# Allegro board BeagleBone_Green_Wireless_V1.0.brd (continued)
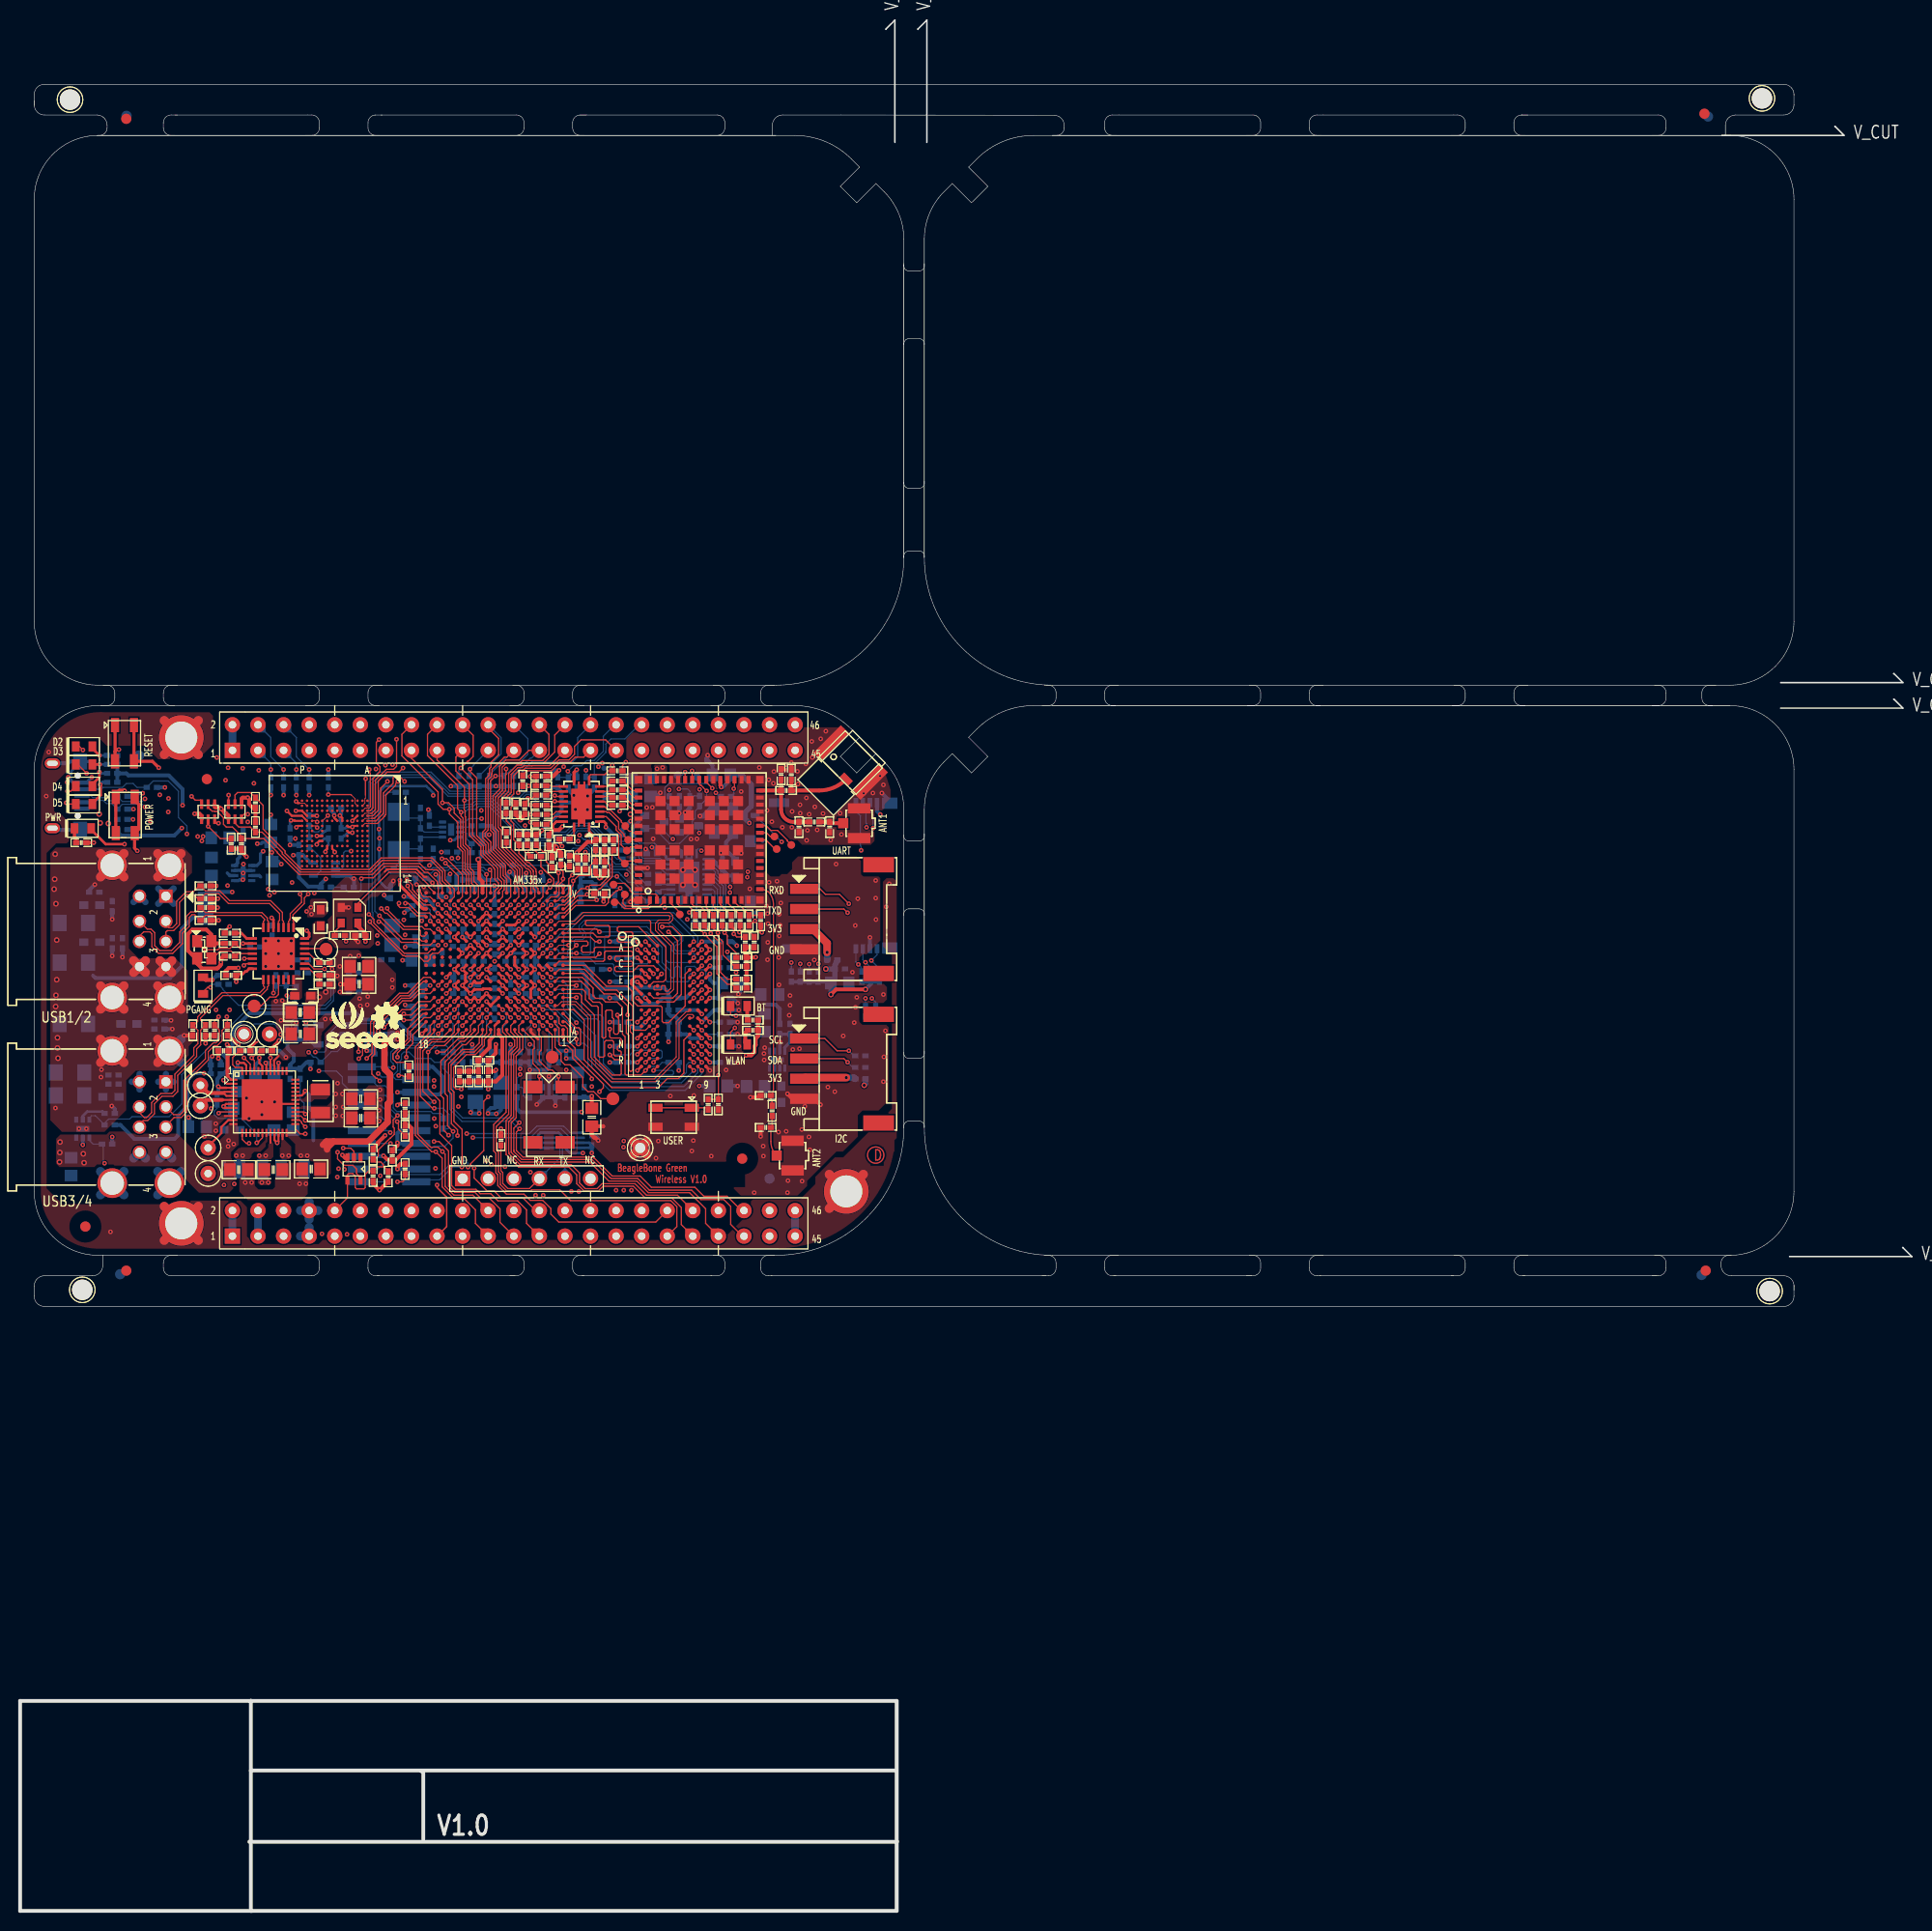
[diagram p0: board, top side]
## Nets (continued)
CAP_VDD_SRAM_MPU: C90.1 U5.D11(CAP_VDD_SRAM_MPU)
CLKOUT2: P2.18(EMU3) P9.41(21) R19.2 R20.1 U22.20(B1)
CLKOUT_SRC: R19.1 U5.D14(EVENT_INTR1/TCLKIN/CLKOUT2/TIME)
DDR_A0: U5.F3(DDR_A0) U12.N3(A0)
DDR_A1: U5.H1(DDR_A1) U12.P7(A1)
DDR_A2: U5.E4(DDR_A2) U12.P3(A2)
DDR_A3: U5.C3(DDR_A3) U12.N2(A3)
DDR_A4: U5.C2(DDR_A4) U12.P8(A4)
DDR_A5: U5.B1(DDR_A5) U12.P2(A5)
DDR_A6: U5.D5(DDR_A6) U12.R8(A6)
DDR_A7: U5.E2(DDR_A7) U12.R2(A7)
DDR_A8: U5.D4(DDR_A8) U12.T8(A8)
DDR_A9: U5.C1(DDR_A9) U12.R3(A9)
DDR_A10: U5.F4(DDR_A10) U12.L7(A10)
DDR_A11: U5.F2(DDR_A11) U12.R7(A11)
DDR_A12: U5.E3(DDR_A12) U12.N7(A12)
DDR_A13: U5.H3(DDR_A13) U12.T3(A13)
DDR_A14: U5.H4(DDR_A14) U12.T7(A14)
DDR_A15: U5.D3(DDR_A15) U12.M7(A15)
DDR_BA0: U5.C4(DDR_BA0) U12.M2(BA0)
DDR_BA1: U5.E1(DDR_BA1) U12.N8(BA1)
DDR_BA2: U5.B3(DDR_BA2) U12.M3(BA2)
DDR_CASN: U5.F1(DDR_CASN) U12.K3(CASN)
DDR_CKE: R96.2 U5.G3(DDR_CKE) U12.K9(CKE)
DDR_CLK: U5.D2(DDR_CK) U12.J7(CK)
DDR_CLKN: U5.D1(DDR_NCK) U12.K7(CKN)
DDR_CSN: U5.H2(DDR_CSN0) U12.L2(CSN)
DDR_D0: U5.M3(DDR_D0) U12.E3(DQ0)
DDR_D1: U5.M4(DDR_D1) U12.F7(DQ1)
DDR_D2: U5.N1(DDR_D2) U12.F2(DQ2)
DDR_D3: U5.N2(DDR_D3) U12.F8(DQ3)
DDR_D4: U5.N3(DDR_D4) U12.H3(DQ4)
DDR_D5: U5.N4(DDR_D5) U12.H8(DQ5)
DDR_D6: U5.P3(DDR_D6) U12.G2(DQ6)
DDR_D7: U5.P4(DDR_D7) U12.H7(DQ7)
DDR_D8: U5.J1(DDR_D8) U12.D7(DQ8)
DDR_D9: U5.K1(DDR_D9) U12.C3(DQ9)
DDR_D10: U5.K2(DDR_D10) U12.C8(DQ10)
DDR_D11: U5.K3(DDR_D11) U12.C2(DQ11)
DDR_D12: U5.K4(DDR_D12) U12.A7(DQ12)
DDR_D13: U5.L3(DDR_D13) U12.A2(DQ13)
DDR_D14: U5.L4(DDR_D14) U12.B8(DQ14)
DDR_D15: U5.M1(DDR_D15) U12.A3(DQ15)
DDR_DQM0: U5.M2(DDR_DQM0) U12.E7(LDM)
DDR_DQM1: U5.J2(DDR_DQM1) U12.D3(UDM)
DDR_DQS0: U5.P1(DDR_DQS0) U12.F3(LDQS)
DDR_DQS1: U5.L1(DDR_DQS1) U12.C7(UDQS)
DDR_DQSN0: U5.P2(DDR_DQSN0) U12.G3(LDQSN)
DDR_DQSN1: U5.L2(DDR_DQSN1) U12.B7(UDQSN)
DDR_ODT: U5.G1(DDR_ODT) U12.K1(ODT)
DDR_RASN: U5.G4(DDR_RASN) U12.J3(RASN)
DDR_RESETN: R97.2 U5.G2(DDR_RESETN) U12.T2(RESET#)
DDR_VREF: C28.1 C123.1 C124.1 R98.2 R100.1 U5.J4(VREFSSTL) U12.H1(VREF_DQ) U12.M8(VREF_CA)
DDR_VTP: R22.2 U5.J3(DDR_VTP)
DDR_WEN: U5.B2(DDR_WEN) U12.L3(WEN)
EHRPWM1A: P9.14(32) U5.U14(GPMC_A2/GMII2_TXD3/RGMII2_TD3/M)
EHRPWM1B: P9.16(33) U5.T14(GPMC_A3/GMII2_TXD2/RGMII2_TD2/M)
EHRPWM2A: P8.19(10) U5.U10(GPMC_AD8/LCD_DATA23/MMC1_DAT0/M)
EHRPWM2B: P8.13(7) U5.T10(GPMC_AD9/LCD_DATA22/MMC1_DAT1/M)
EMMC_RSTN: R111.2 R162.2 U13.K5(R\S\T\)
EMMC_VCCI: C125.1 U13.C2(VCCI)
ENZ_KALDO_1P8V: R54.2 U5.B4(ENZ_KALDO_1P8V)
GPIO0_7: P9.42(46) R50.1 R51.1
GPIO0_7SRC: R50.2 U5.C18(ECAP0_IN_PWM0_OUT/UART3_TXD/SPI)
GPIO0_26: P8.14(32) R187.2 R189.1 U5.T11(GPMC_AD10/LCD_DATA21/MMC1_DAT2/)
GPIO0_27: P8.17(9) U5.U12(GPMC_AD11/LCD_DATA20/MMC1_DAT3/) U22.18(B2)
GPIO1_12: P8.12(31) R206.1 U5.T12(GPMC_AD12/LCD_DATA19/MMC1_DAT4/)
GPIO1_13: P8.11(6) R205.1 U5.R12(GPMC_AD13/LCD_DATA18/MMC1_DAT5/)
GPIO1_14: P8.16(33) R204.1 U5.V13(GPMC_AD14/LCD_DATA17/MMC1_DAT6/)
GPIO1_15: P8.15(8) R203.1 U5.U13(GPMC_AD15/LCD_DATA16/MMC1_DAT7/)
GPIO1_16: P9.15(8) R160.2
GPIO1_17: P9.23(12) U5.V14(GPMC_A1/GMII2_RXDV/RGMII2_RCTL/)
GPIO1_28: P9.12(31) R188.2 R190.1 U5.U18(GPMC_BE1N/GMII2_COL/GPMC_CSN6/M)
GPIO1_29: P8.26(38) R198.1 U5.V6(GPMC_CSN0/GPIO1_29)
GPIO2_0: R161.2 R208.1
GPIO2_1: P8.18(34) R207.1 U5.V12(GPMC_CLK/LCD_MEM_CLK/GPMC_WAIT1)
GPIO3_18: R51.2 U5.B12(MCASP0_ACLKR/EQEP0A_IN/MCASP0_A)
GPIO3_19: P9.27(14) U5.C13(MCASP0_FSR/EQEP0B_IN/MCASP0_AXR)
GPIO3_20: R20.2 U5.D13(MCASP0_AXR1/EQEP0_INDEX//MCASP1)
GPIO3_21: P9.25(13) R167.2 U5.A14(MCASP0_AHCLKX/EQEP0_STROBE/MCAS)
HDMI_INT: R169.1 R170.1 U5.U16(GPMC_A9/GMII2_RXD2/RGMII2_RD2/M)
HDMICLK_DISN: U5.V17(GPMC_A11/GMII2_RXD0/RGMII2_RD0/) Y4.1(OE)
HUB_AVDD: C181.1 C182.1 C185.1 C186.2 C187.1 C188.1 L15.2 R219.1 R220.1 R225.2 U23.5(AVDD#5) U23.9(AVDD#9) U23.14(AVDD#14) U23.28(V33)
HUB_DM1: D11.1 J8.A2(DM_T) U23.3(DM1)
HUB_DM2: D14.2 J8.B2(DM_B) U23.6(DM2)
HUB_DM3: D17.1 J9.A2(DM_T) U23.12(DM3)
HUB_DM4: D20.2 J9.B2(DM_B) U23.15(DM4)
HUB_DP1: D10.1 J8.A3(DP_T) U23.4(DP1)
HUB_DP2: D13.2 J8.B3(DP_B) U23.7(DP2)
HUB_DP3: D16.1 J9.A3(DP_T) U23.13(DP3)
HUB_DP4: D19.2 J9.B3(DP_B) U23.16(DP4)
HUB_RESET#: C199.1 R227.1 R228.2 U23.17(RESET#)
HUB_VBUS: C190.1 C192.1 C194.1 C196.1 C198.1 FB8.2 L17.2 L18.2 L19.2 L20.2 U24.1(OUT)
I2C0_SCL: R3.2 U2.28(SCL) U5.C16(I2C0_SCL/TIMER7/UART2_RTSN/ECAP) U7.1(SCL)
I2C0_SDA: R4.2 U2.27(SDA) U5.C17(I2C0_SDA/TIMER4/UART2_CTSN/ECAP) U7.3(SDA)
I2C1_SCL: P9.17(9) U5.A16(SPI0_CS0/MMC2_SDWP/I2C1_SCL/EHR)
I2C1_SDA: P9.18(34) U5.B16(SPI0_D1/MMC1_SDWP/I2C1_SDA/EHRP)
I2C2_SCL: C202.1 J4.1 P9.19(10) U5.D17(UART1_RTSN/TIMER5/DCAN0_RX/I2C2)
I2C2_SDA: C203.1 J4.2 P9.20(35) U5.D18(UART1_CTSN/TIMER6/DCAN0_TX/I2C2)
JTAG_EMU0: P2.13(EMU0) R23.2 U5.C14(EMU0/GPIO3_7)
JTAG_EMU1: P2.14(EMU1) R24.2 U5.B14(EMU1/GPIO3_8)
JTAG_TCK: P2.9(TCKRTN) P2.11(TCK) U5.A12(TCK)
JTAG_TDI: P2.3(TDI) U5.B11(TDI)
JTAG_TDO: P2.7(TDO) U5.A11(TDO)
JTAG_TMS: P2.1(TMS) U5.C11(TMS)
JTAG_TRSTN: P2.2(TRSTN) R25.1 U5.B10(NTRST)
LCD_DATA0: P8.45(23) R70.2 R95.1 U5.R1(LCD_DATA0/GPMC_A0//EHRPWM2A//PR)
LCD_DATA1: P8.46(48) R69.2 R94.1 U5.R2(LCD_DATA1/GPMC_A1//EHRPWM2B//PR)
LCD_DATA2: P8.43(22) R68.2 R75.1 R93.1 U5.R3(LCD_DATA2/GPMC_A2//EHRPWM2_TRIP)
LCD_DATA3: P8.44(47) R67.2 R92.1 U5.R4(LCD_DATA3/GPMC_A3//EHRPWM2_SYNC)
LCD_DATA4: P8.41(21) R66.2 R91.1 U5.T1(LCD_DATA4/GPMC_A4//EQEP2A_IN//P)
LCD_DATA5: P8.42(46) R65.2 R90.1 U5.T2(LCD_DATA5/GPMC_A5//EQEP2B_IN//P)
LCD_DATA6: P8.39(20) R64.2 R89.1 U5.T3(LCD_DATA6/GPMC_A6/PR1_EDIO_DATA)
LCD_DATA7: P8.40(45) R63.2 R88.1 U5.T4(LCD_DATA7/GPMC_A7/PR1_EDIO_DATA)
LCD_DATA8: P8.37(19) R62.2 R87.1 U5.U1(LCD_DATA8/GPMC_A12/EHRPWM1_TRIP)
LCD_DATA9: P8.38(44) R61.2 R86.1 U5.U2(LCD_DATA9/GPMC_A13/EHRPWM1_SYNC)
LCD_DATA10: P8.36(43) R60.2 R85.1 U5.U3(LCD_DATA10/GPMC_A14/EHRPWM1A/MC)
LCD_DATA11: P8.34(42) R59.2 R84.1 U5.U4(LCD_DATA11/GPMC_A15/EHRPWM1B/MC)
LCD_DATA12: P8.35(18) R58.2 R83.1 U5.V2(LCD_DATA12/GPMC_A16/EQEP1A_IN/M)
LCD_DATA13: P8.33(17) R57.2 R82.1 U5.V3(LCD_DATA13/GPMC_A17/EQEP1B_IN/M)
LCD_DATA14: P8.31(16) R56.2 R81.1 U5.V4(LCD_DATA14/GPMC_A18/EQEP1_INDEX)
LCD_DATA15: P8.32(41) R55.2 R80.1 U5.T5(LCD_DATA15/GPMC_A19/EQEP1_STROB)
LCD_DE: P8.30(40) R48.2
LCD_HSYNC: P8.29(15) R47.2
LCD_PCLK: P8.28(39) R45.2
LCD_VSYNC: P8.27(14) R46.2
LCDDE: R48.1 U5.R6(LCD_AC_BIAS_EN/GPMC_A11//PR1_ED)
LCDPCLK: R45.1 U5.V5(LCD_PCLK/GPMC_A10//PR1_EDIO_DAT)
LCDVHYNC: R47.1 U5.R5(LCD_HSYNC/GPMC_A9//PR1_EDIO_DAT)
LCDVSYNC: R46.1 U5.U5(LCD_VSYNC/GPMC_A8//PR1_EDIO_DAT)
LDO_PGOOD: U2.46(LDO_PGOOD) U5.B5(RTC_PORZN)
LEDAA: D2.2(A) R72.2
LEDAC: D2.1(C) Q1.6(3)
LEDBA: D3.2(A) R73.2
LEDBC: D3.1(C) Q1.3
LEDCA: D4.2(A) R74.2
LEDCC: D4.1(C) Q2.6(3)
LEDDA: D5.2(A) R71.2
LEDDC: D5.1(C) Q2.3
MMC0_CD: P2.19(EMU4) P10.10(CD) R157.1 U5.C15(SPI0_CS1/UART3_RXD/ECAP1_IN_PWM)
MMC0_CLKO: P10.5(CLOCK) R152.2 U5.G17(MMC0_CLK/GPMC_A24/UART3_CTSN/UA)
MMC0_CMD: P10.3(CMD) R151.2 U5.G18(MMC0_CMD/GPMC_A25/UART3_RTSN/UA)
MMC0_DAT0: P10.7(DAT0) R153.2 U5.G16(MMC0_DAT0/GPMC_A23/UART5_RTSN/U)
MMC0_DAT1: P10.8(DAT1) R154.2 U5.G15(MMC0_DAT1/GPMC_A22/UART5_CTSN/U)
MMC0_DAT2: P10.1(DAT2) R150.2 U5.F18(MMC0_DAT2/GPMC_A21/UART4_RTSN/T)
MMC0_DAT3: P10.2(CD/DAT3) R155.2 U5.F17(MMC0_DAT3/GPMC_A20/UART4_CTSN/T)
MMC1_CLK: P8.21(11) R110.2 U5.U9(GPMC_CSN1/GPMC_CLK/MMC1_CLK/PRT) U13.M6(CLK)
MMC1_CMD: P8.20(35) R109.2 U5.V9(GPMC_CSN2/GPMC_BE1N/MMC1_CMD/PR) U13.M5(CMD)
MMC1_DAT0: P8.25(13) R101.2 U5.U7(GPMC_AD0/MMC1_DAT0//////GPIO1_0) U13.A3(DAT0)
MMC1_DAT1: P8.24(37) R102.2 U5.V7(GPMC_AD1/MMC1_DAT1//////GPIO1_1) U13.A4(DAT1)
MMC1_DAT2: P8.5(3) R103.2 U5.R8(GPMC_AD2/MMC1_DAT2//////GPIO1_2) U13.A5(DAT2)
MMC1_DAT3: P8.6(28) R104.2 U5.T8(GPMC_AD3/MMC1_DAT3//////GPIO1_3) U13.B2(DAT3)
MMC1_DAT4: P8.23(12) R105.2 U5.U8(GPMC_AD4/MMC1_DAT4//////GPIO1_4) U13.B3(DAT4)
MMC1_DAT5: P8.22(36) R106.2 U5.V8(GPMC_AD5/MMC1_DAT5//////GPIO1_5) U13.B4(DAT5)
MMC1_DAT6: P8.3(2) R107.2 U5.R9(GPMC_AD6/MMC1_DAT6//////GPIO1_6) U13.B5(DAT6)
MMC1_DAT7: P8.4(27) R108.2 U5.T9(GPMC_AD7/MMC1_DAT7//////GPIO1_7) U13.B6(DAT7)
OSC0_IN: R234.1 U5.V10(OSC0_IN) U17.5(MOD OUT)
OSC0_OUT: R235.1 U5.U11(OSC0_OUT)
OSC1_IN: C21.2 U5.A6(OSC1_IN) Y1.1
OSC1_OUT: C22.2 U5.A4(OSC1_OUT) Y1.4
OVCUR1#: R224.1 U23.25(OVCUR1#)
P_BYPASS: C4.2 U2.47(BYPASS)
P_INT_LDO: C3.2 U2.48(INT_LDO)
P_L1: L1.1 U2.20(L1)
P_L2: L2.1 U2.23(L2)
P_L3: L3.1 U2.31(L3)
PGANG: D6.1(C) R220.2 U23.23(PGANG)
PMIC_INT: R1.2 U2.45(INT) U5.B18(NNMI)
PMIC_PGOOD: U2.26(PGOOD) U5.B15(PORZN) U16.2(A)
PMIC_POWR_EN: U2.9(PWR_EN) U5.C6(PMIC_POWER_EN)
PROC_A15: R18.1 U5.A15(EVENT_INTR0/TIMER4/CLKOUT1/SPI1)
PSELF: R225.1 R226.2 U23.22(PSELF)
PWR_BUT: P9.9(5) S3.2(B1) S3.4(B2) U2.25(PB_IN)
PWR_LEDR: D1.1(C) R12.2
SLOW_CLK: R213.1 U22.1(A1)
SPI1_CS0: P9.28(39) R236.1 U5.C12(MCASP0_AHCLKR/EHRPWM0_SYNCI_O/M)
SPI1_D0: P9.29(15) R238.1 U5.B13(MCASP0_FSX/EHRPWM0B//SPI1_D0/MM)
SPI1_D1: P9.30(40) R237.1 U5.D12(MCASP0_AXR0/EHRPWM0_TRIPZONE_IN)
SPI1_SCLK: P9.31(16) R239.1 U5.A13(MCASP0_ACLKX/EHRPWM0A//SPI1_SCL)
SYS_5V: C7.2 C8.2 C10.2 C13.2 C180.2 L13.1 L16.2 P9.7(4) P9.8(29) R71.1 R72.1 R73.1 R74.1 R227.2 U2.2(VINLDO) U2.7(SYS1) U2.8(SYS2) U2.21(VIN_DCDC1) U2.22(VIN_DCDC2) U2.32(VIN_DCDC3) U2.39(LDO3_IN) U2.42(LDO4_IN) U20.7(AVIN) U20.8(PVIN)
SYS_RESETN: C24.1 C30.1 P2.15(SRST) P9.10(30) R14.2 S1.2(B1) S1.4(B2) U5.A10(NRESET_INOUT) U16.4(Y)
TESTOUT: TP3.1(TP) U5.A3(TESTOUT)
TIMER4: P8.7(4) U5.R7(GPMC_ADVN_ALE/TIMER4/GPIO2_2)
TIMER5: P8.9(5) U5.T6(GPMC_BE0N_CLE/TIMER5/GPIO2_5)
TIMER6: P8.10(30) U5.U6(GPMC_WEN/TIMER6/GPIO2_4)
TIMER7: P8.8(29) U5.T7(GPMC_OEN_REN/TIMER7/EMU4/GPIO2_)
U5_R13: R160.1 U5.R13(GPMC_A0/GMII2_TXEN/RGMII2_TCTL/)
U5_T13: R161.1 U5.T13(GPMC_CSN3/MMC2_CMD/PR1_MDIO_DAT)
UART0_RX: U5.E15(UART0_RXD/SPI1_CS0/DCAN0_TX/I2C) U15.6(1Y)
UART0_TX: U5.E16(UART0_TXD/SPI1_CS1/DCAN0_RX/I2C) U15.5(2A)
UART1_RXD: P9.26(38) U5.D16(UART1_RXD/MMC1_SDWP/DCAN1_TX/I2)
UART1_TXD: P9.24(37) U5.D15(UART1_TXD/MMC2_SDWP/DCAN1_RX/I2)
UART2_RXD: C204.1 J5.1 P9.22(36) U5.A17(SPI0_SCLK/UART2_RXD/I2C2_SDA/EH)
UART2_TXD: C205.1 J5.2 P9.21(11) U5.B17(SPI0_D0/UART2_TXD/I2C2_SCL/EHRP)
UART3_CTSN: R200.1 R210.1 U5.M17(MDIO_DATA/TIMER6/UART5_RXD/UART)
UART3_RTSN: R199.1 R209.1 U5.M18(MDIO_CLK/TIMER5/UART5_TXD/UART3)
UART3_RXD: U5.L17(GMII1_RXD3/UART3_RXD/RGMII1_RD3) U21.14(B6)
UART3_TXD: U5.L16(GMII1_RXD2/UART3_TXD/RGMII1_RD2) U21.15(B5)
UART4_RXD: P9.11(6) U5.T17(GPMC_WAIT0/GM112_CRS/GPMC_CSN4/)
UART4_TXD: P9.13(7) U5.U17(GPMC_WPN/GMII2_RXERR/GPMC_CSN5/)
USB0_DM: D21.2 P4.2(D-) U5.N18(USB0_DM)
USB0_DP: D22.2 P4.3(D+) U5.N17(USB0_DP)
USB0_ID: D23.2 P4.4(ID) U5.P16(USB0_ID)
USB1_DM: U5.R18(USB1_DM) U23.1(DM0)
USB1_DP: U5.R17(USB1_DP) U23.2(DP0)
USB1_DRVVBUS: R221.2 U5.F15(USB1_DRVVBUS/GPIO3_13) U24.4(EN)
USB1_ID: R49.2 U5.P17(USB1_ID)
USB1_OCN: R223.1 R224.2 U5.T16(GPMC_A10/GMII2_RXD1/RGMII2_RD1/) U24.3(NFAULT)
USB1_VBUS: FB8.1 U5.T18(USB1_VBUS)
USB_DC: C1.2 C36.1 C197.1 D24.2 P4.1(VB) R159.1 R168.1 U2.12(USB) U24.6(IN)
USR0: Q1.2(5) R76.1 U5.V15(GPMC_A5/GMII2_TXD0/RGMII2_TD0/R)
USR1: Q1.5 R77.1 U5.U15(GPMC_A6/GMII2_TXCLK/RGMII2_TCLK)
USR2: Q2.2(5) R78.1 U5.T15(GPMC_A7/GMII2_RXCLK/RGMII2_RCLK)
USR3: Q2.5 R79.1 U5.V16(GPMC_A8/GMII2_RXD3/RGMII2_RD3/M)
VDCDC1: L1.2 R6.1 U2.19(VDCDC1)
VIO: R7.2 U2.18(VIO) U16.5(VCC)
VLDO1: R5.1 R7.1 R8.1 U2.3(VLDO1)
VREFP_ADC: C31.1 C32.1 C33.1 R27.2 U5.B9(VREFP)
VRTC: C16.1 C105.1 R5.2 R26.1 U5.D7(VDDS_RTC)
WAKEUP: R26.2 U2.13(WAKEUP) U5.C5(EXT_WAKEUP)
WL_EN: Q4.1(GATE) R187.1 U18.40(WLAN_EN_SOC)
WL_IRQ: R176.1 U22.3(A2)
WL_SDIO_CLK: R182.1 R195.2 U22.8(A7)
WL_SDIO_CMD: R181.1 R196.2 U22.9(A8)
WL_SDIO_D0: R180.1 R194.2 U22.7(A6)
WL_SDIO_D1: R179.1 R193.2 U22.6(A5)
WL_SDIO_D2: R178.1 R192.2 U22.5(A4)
WL_SDIO_D3: R177.1 R191.2 U22.4(A3)
WP: R156.2 TP4.1(TP) U7.5(WP)
XDMA_EVENT_INTR0: P2.17(EMU2) R18.2
XTAL1: C183.1 U23.10(XTAL1) Y5.1
XTAL2: C184.1 U23.11(XTAL2) Y5.3
ZQ: R99.1 U12.L8(ZQ)
N21769115: R75.2 S2.1(A1) S2.3(A2)
N22155575: R159.2 U5.P15(USB0_VBUS)
N22248684: R167.1 Y4.3(CLK)
N22287501: R162.1 U3.4(Y)
N22287555: U3.2(A) U5.R14(GPMC_A4/GMII2_TXD1/RGMII2_TD1/R)
N22420400: TP5.1(TP) U2.4(BAT1) U2.5(BAT2)
N22420444: TP6.1(TP) U2.6(BAT_SENSE)
N22420447: TP7.1(TP) U2.11(TS)
N22488252: TP9.1(TP) U5.E17(UART0_RTSN/UART4_TXD/DCAN1_RX/I)
N22648410: C25.1 R17.1 R234.2 U17.1(XIN/CXIN) Y2.2
N22648422: C26.1 R17.2 R235.2 U17.2(CKOUT) Y2.1
N22649826: R171.2 U17.3(SSON)
N22650321: R172.2 R174.1 U17.6(ADS0)
N22650344: R173.1 R175.2 U17.7(ADS1)
N22699644: R176.2 R233.2 U18.14(WLAN_IRQ)
N22699649: R177.2 U18.13(WL_SDIO_D3)
N22699658: R178.2 U18.12(WL_SDIO_D2)
N22699663: R179.2 U18.11(WL_SDIO_D1)
N22699668: R180.2 U18.10(WL_SDIO_D0)
N22699673: R181.2 U18.6(WL_SDIO_CMD)
N22699720: R182.2 U18.8(WL_SDIO_CLK)
N22699759: R183.2 U18.50(BT_HCI_RTS)
N22699762: R184.2 U18.51(BT_HCI_CTS)
N22699765: R185.2 U18.52(BT_HCI_TX)
N22699768: R186.2 U18.53(BT_HCI_RX)
N22705626: OSC1.3(OUT) R213.2 U18.36(EXT_32K)
N22705631: C167.1 L4.1 OSC1.1(EN) OSC1.4(VDD)
N22709787: TP22.1(TP) U18.43(BT_UART_DBG)
N22709790: TP23.1(TP) U18.42(WL_UART_DBG)
N22711010: C171.1 C200.1 L7.2 L21.2 U18.32(2G4_ANT1_WB)
N22711020: C171.2 J6.1(CENTER) L8.2
N22712983: C172.1 L9.2 U18.18(2G4_ANT2_W)
N22712987: C172.2 J7.1(CENTER) L10.2
N22724780: R197.1 R198.2 U21.10(OE) U22.10(OE)
N22729983: R203.2 U22.17(B3)
N22729986: R204.2 U22.16(B4)
N22729989: R205.2 U22.15(B5)
N22729992: R206.2 U22.14(B6)
N22729995: R207.2 U22.13(B7)
N22729998: R208.2 U22.12(B8)
N22732227: TP14.1(TP) U18.27(GPIO_1)
N22732237: TP15.1(TP) U18.26(GPIO_2)
N22732240: TP16.1(TP) U18.25(GPIO_4)
N22732294: TP17.1(TP) U18.2(GPIO11)
N22732297: TP18.1(TP) U18.3(GPIO9)
N22732316: TP19.1(TP) U18.4(GPIO10)
N22732319: TP20.1(TP) U18.5(GPIO12)
N22732977: C177.2 L13.2 U19.5(EN) U19.7(AVIN) U19.8(PVIN)
N22733304: L11.1 U19.2(SW)
N22733307: R214.2 R215.1 U19.4(FB)
N22764895: L15.1 U23.21(DVDD)
N22765441: L16.1 U23.27(V5)
N22766342: R218.1 U23.8(RREF)
N22767849: TP24.1(TP) U23.26(SDA)
N22767859: TP25.1(TP) U23.18(TEST/SCL)
N22768480: D6.2(A) R219.2
N22769591: C189.1 D9.1 J8.A1(VBUS_T) L19.1
N22769632: C191.1 D12.2 J8.B1(VBUS_B) L20.1
N22770199: C193.1 D15.1 J9.A1(VBUS_T) L17.1
N22770224: C195.1 D18.2 J9.B1(VBUS_B) L18.1
N22776606: R222.2 U24.2(ILIM)
N22780216: D7.2(A) R229.2
N22783783: D8.2(A) R230.2
N22784813: ANT.1(FEED) C200.2 L22.2
N22805505: D7.1(C) Q3.3(DRAIN)
N22805508: D8.1(C) Q4.3(DRAIN)
N22816281: J4.3 R231.1
N22816655: J5.3 R232.1
N22868112: R216.2 R217.1 U20.4(FB)
N22868125: L12.1 U20.2(SW)
N22871921: R200.2 U21.12(B8)
N22871924: R199.2 U21.13(B7)
N22888492: R236.2 U21.16(B4)
N22888495: R239.2 U21.20(B1)
N22888517: R238.2 U21.18(B2)
N22888520: R237.2 U21.17(B3)

Pads without a net: J1 2 3 6; NOREF#5 1; NOREF#9 1; NOREF#11 1; NOREF#16 1; NOREF#19 1; NOREF#23 1; NOREF#28 1; NOREF#33 1; NOREF#34 1; NOREF#35 1; NOREF#36 1; NOREF#37 1; NOREF#38 1; NOREF#40 1; P2 6; U2 14 15 16 17 33 34 35 36 37 38 44; U3 1; U5 E18 F16 H16 H17 H18 J15 J16 J17 J18 K15 K16 K17 K18 L15 L18 M5 M15 M16 P18; U12 J1 J9 L1 L9; U13 A1 A2 A6 A7 A8 A9 A10 A11 A12 A13 A14 B1 B7 B8 B9 B10 B11 B12 B13 B14 C1 C3 C5 C7 C8 C9 C10 C11 C12 C13 C14 D1 D2 D3 D4 D12 D13 D14 E1 E2 E3 E5 E8 E9 E10 E12 E13 E14 F1 F2 F3 F10 F12 F13 F14 G1 G2 G3 G10 G12 G13 G14 H1 H2 H3 H5 H12 H13 H14 J1 J2 J3 J5 J12 J13 J14 K1 K2 K3 K6 K7 K10 K12 K13 K14 L1 L2 L3 L12 L13 L14 M1 M2 M3 M7 M8 M9 M10 M11 M12 M13 M14 N1 N3 N6 N7 N8 N9 N10 N11 N12 N13 N14 P1 P2 P7 P8 P9 P10 P11 P12 P13 P14; U16 1; U18 21 22 62; U23 19 20 24; Y1 2 3

## Via types
v1: diameter 0.457, hole 0.203, TOP to BOTTOM, 923 vias
v2: diameter 0.559, hole 0.305, TOP to BOTTOM, 34 vias
v3: diameter 0.61, hole 0.305, TOP to BOTTOM, 18 vias

## Routing (per net, layer and track width the routed paths; a pad name or vN(x,y) marks a point on that pad's centre or on a via; arc(x,y) is an arc through that point)
DGND: length 587.9
  TOP w0.076: 27.73,110.05 27.88,110.05 27.89,110.04 28.23,110.04 28.49,109.79 U13.N2
  TOP w0.178: U13.N5 U13.P4
  TOP w0.191: v1(37.06,102.31) 37.06,102.44 ; 36.2,103.23 36.45,103.48 39.37,103.48 40.13,102.72 40.36,102.72
  TOP w0.203: U13.K8 v1(29.46,106.79) ; U13.P6 27.57,107.79 v1(27.43,107.65) ; v1(31.19,108.81) 31.19,108.59 31.34,108.43 U13.G5 ; U13.P4 26.98,108.79 v1(26.49,109.27) ; U13.E7 32.67,107.11 v1(32.99,107.11) ; U2.41 v1(24.86,84.75) ; U2.30 25.85,80.17 25.65,80.37 v2(25.27,80.37) ; U13.C4 v1(32.99,108.29) ; U13.H10 30.99,105.51 31.24,105.26 v1(31.24,105.18) ; v1(27.41,110.21) 27.57,110.05 27.73,110.05
  TOP w0.254: v1(68.5,85.09) U12.P9 ; v1(62.1,89.09) U12.J2 ; U5.H6 v1(50.32,93.54) U5.J6 ; v1(44.72,91.94) U5.G12 45.28,92.18 45.76,92.18 U5.G11 ; v1(49.52,93.54) U5.J7 U5.K7 ; v1(68.5,83.49) U12.T9 ; U5.F8 v1(47.92,91.94) U5.G9 ; v1(67.7,89.09) U12.J8 ; R218.2 20.32,97.31 v1(20.8,97.79) ; U5.G8 v1(47.92,92.74) U5.H9 ; v1(53.92,101.78) 53.92,101.14 U5.V1 ; U12.G9 v1(68.5,91.49) U12.F9 ; U5.M6 v1(49.52,95.94) U5.M7 ; U5.A18 v1(39.92,87.13) ; U5.M9 v1(47.92,96.74) U5.M8 ; U5.H7 v1(49.52,92.74) ; v1(68.5,86.69) U12.M9 ; v1(67.7,91.49) U12.G8 ; U5.H10 v1(46.32,93.54) U5.J10 ; U5.L13 v1(44.72,95.94) U5.L12 ; v1(48.72,93.54) U5.J8 ; U12.E2 v1(62.1,93.09) U12.D1 ; v1(46.32,95.14) U5.K10 ; v1(46.32,95.14) U5.L10 ; v1(46.32,95.14) U5.K11 ; v1(61.3,95.49) U12.B1 ; v1(46.32,96.74) U5.M10 ; v1(48.72,92.74) U5.H8 ; v1(61.3,86.69) U12.M1 ; v1(47.92,93.54) U5.J9 ; U12.A9 v1(68.5,95.49) U12.B9 ; U5.A1 v1(53.92,86.84) ; v1(67.7,93.09) U12.E8 ; v1(67.7,93.89) U12.D8 ; U5.N11 v1(46.32,97.54) U5.N10 ; v1(62.1,92.29) U12.E1 61.58,92.81 61.09,92.81 60.71,92.43 60.71,92.08 U12.G1 ; v1(61.3,85.09) U12.P1 ; v1(47.92,95.14) U5.K9 ; v1(62.9,95.49) U12.B3 ; U5.L11 v1(45.52,95.94) U5.M12 ; v1(61.3,83.49) U12.T1 ; U5.M14 v1(43.12,96.74) U5.N14 ; v1(49.52,97.54) U5.N7 ; v1(44.72,92.74) U5.H12 ; U5.J11 v1(45.52,93.54)
  TOP w0.305: v1(55.27,113.37) 55,113.1 U21.11 ; R12.1 v1(7.32,106.12) ; v1(9.8,115.37) 9.63,115.37 9.42,115.16 ; v1(10.37,111.27) 10.31,111.33 9.86,111.33 9.5,110.97 S3.1 S3.3 ; S1.3 9.42,115.16 ; 9.42,115.16 S1.1
  TOP w0.381: R82.2 50.29,105.16 v1(50.29,105.21) ; C186.1 20.4,92.99 20.4,93.34 20.73,93.68 v1(21.67,93.68) ; C24.2 35.05,72.24 v1(35.69,71.6) 36.07,71.98 C30.2 ; v1(60.6,100.23) 60.8,100.43 U18.1 ; 57.91,77.93 57.89,77.95 C96.1 C155.1 57.02,76.81 57.12,76.81 v1(57.4,76.53) ; R210.2 52.93,112.73 v1(53.52,113.31) ; 12.2,111.03 12.19,111.04 v1(12.17,111.04) ; R209.2 50.11,108.86 v3(49.68,108.43) 49.23,108.89 R81.2 ; Q1.1 20.69,108.8 20.44,109.05 v1(20.34,109.05) 20.34,109.09 v1(19.96,109.47) 19.84,109.6 19.48,109.6 19.32,109.76 Q2.4 ; v1(37.46,73.7) 37.46,73.89 37.78,74.21 R25.2 ; v1(53.26,105.66) 53.29,105.64 53.29,105.55 53.7,105.14 R85.2 ; v1(53.26,105.66) 53.09,105.84 C175.1 52.5,105.51 52.81,105.21 ; v1(53.26,105.66) 52.81,105.21 ; v1(62.31,103.61) 62.3,103.6 U18.61 ; R87.2 57.15,102.97 v1(57.53,102.59) 57.66,102.59 58.04,102.97 R90.2 ; U16.3 32.28,74.81 v1(32,75.08) ; D16.2 20.7,86.97 21.59,86.08 v1(21.67,86.08) ; v1(17.32,108.99) 17.81,108.99 18.02,108.78 Q2.1 ; L9.1 73.36,80.82 v1(72.52,80.82) ; Q1.4 21.99,110.48 22.1,110.59 v1(22.61,110.59) 22.73,110.46 22.73,109.96 23.11,109.58 R77.2 23.37,108.18 ; D13.1 v1(19.71,98.4) ; v1(23.49,86.46) 22.86,85.83 22.86,85.45 ; R91.2 57.94,100.97 v1(57.94,100.28) ; D14.1 v1(19.61,99.67) ; D11.2 v1(19.47,101.83) ; L22.1 v1(76.58,114.07) 76.58,114.1 ; C29.2 37.46,76.05 v1(37.46,76.3) ; R226.1 31.06,92.94 31.11,92.89 v1(31.5,92.89) ; 52.81,105.21 R83.2 ; R78.2 R79.2 21.97,105.23 v1(22.48,104.72) ; D10.2 v1(19.63,100.56) ; 76.2,81.13 v1(76.2,81.18) 76.71,80.67 J4.4 78.9,80.67 v1(79.48,80.09) ; D17.2 D19.1 v1(18.41,86.18) ; v1(47.75,77.71) R165.2 ; v1(33.55,96.27) 33.27,96.55 C159.2 ; R86.2 v1(56.13,105.18) ; C184.2 20.19,94.84 19.94,94.59 v1(19.94,94.23) 19.94,94.01 19.85,93.91 19.85,93.87 19.64,93.67 19.6,93.67 19.56,93.62 18.06,93.62 17.59,94.1 Y5.2 17.44,94.63 16.66,95.4 16.66,97.05 17.09,97.49 18.49,97.49 18.97,97 18.97,96.34 Y5.4 19.2,96.11 C183.2 ; 76.02,113.41 76.02,113.46 75.62,113.46 L21.1 ; 65.26,108.85 U18.G23 ; C18.2 v1(19.68,84.68) ; Y4.2 v1(32.63,99.68) ; D20.1 v1(16.28,86.97) ; 32.77,92.05 v1(31.8,92.05) ; L10.1 v1(73.53,76.94)
  TOP w0.889: J8.S1 15.99,105.04 ; J8.S1 15.99,102.71 ; J8.S1 13.66,105.04 ; J8.S1 13.66,102.71 ; 11.26,94.4 J8.B4 ; J8.B4 12.44,93.22 ; J8.B4 11.26,93.22 ; J8.B4 12.44,94.4 ; 7.98,91.9 J8.S3 ; J8.S3 10.31,91.9 ; J8.S3 7.98,89.57 ; J8.S3 10.31,89.57 ; 13.66,89.57 J8.S2 ; J8.S2 15.99,91.9 ; J8.S2 15.99,89.57 ; J8.S2 13.66,91.9 ; 13.66,86.6 J9.S1 13.66,84.27 ; J9.S4 10.31,86.6 ; J9.S4 7.98,86.6 ; J9.S4 7.98,84.27 ; J9.S4 10.31,84.27 ; J8.A4 15.06,93.22 ; J8.A4 15.06,94.4 ; J8.A4 13.88,94.4 ; J8.A4 13.88,93.22 ; TP1.1 62.23,76.46 ; TP1.1 60.91,76.46 ; TP1.1 60.91,75.13 ; TP1.1 62.23,75.13 ; J8.S4 10.31,102.71 ; J8.S4 10.31,105.04 ; J8.S4 7.98,102.71 ; J8.S4 7.98,105.04
  LYR2_GND w0.889: TP1.1 62.23,75.13 ; TP1.1 62.23,76.46 ; TP1.1 60.91,75.13 ; TP1.1 60.91,76.46 ; P8.2 21.74,118.49 ; P8.2 20.42,118.49 ; P8.2 20.42,117.17 ; P8.2 21.74,117.17 ; 13.88,74.78 J9.A4 ; J9.A4 13.88,75.96 ; J9.A4 15.06,74.78 ; J9.A4 15.06,75.96 ; 7.98,105.04 J8.S4 ; J8.S4 10.31,105.04 ; J8.S4 10.31,102.71 ; J8.S4 7.98,102.71 ; P9.43 75.08,66.37 ; P9.43 73.76,66.37 ; P9.43 73.76,67.69 ; P9.43 75.08,67.69 ; 76.3,66.37 P9.45 ; P9.45 76.3,67.69 ; P9.45 77.62,67.69 ; 13.88,94.4 J8.A4 ; J8.A4 13.88,93.22 ; J8.A4 15.06,94.4 ; J8.A4 15.06,93.22 ; J8.B4 12.44,94.4 ; J8.B4 11.26,94.4 ; J8.B4 11.26,93.22 ; J8.B4 12.44,93.22 ; TP8.1 19.33,72.59 ; TP8.1 18.01,73.92 ; TP8.1 19.33,73.92 ; TP8.1 18.01,72.59 ; P9.2 21.74,68.91 ; P9.2 21.74,70.23 ; P9.2 20.42,70.23 ; P9.2 20.42,68.91 ; P9.44 75.08,70.23 ; P9.44 73.76,68.91 ; P9.44 73.76,70.23 ; P9.44 75.08,68.91 ; 7.98,71.13 J9.S3 ; J9.S3 10.31,73.46 ; J9.S3 10.31,71.13 ; J9.S3 7.98,73.46 ; J8.S1 15.99,105.04 ; J8.S1 13.66,102.71 ; J8.S1 15.99,102.71 ; J8.S1 13.66,105.04 ; 7.98,84.27 J9.S4 ; J9.S4 10.31,84.27 ; J9.S4 10.31,86.6 ; J9.S4 7.98,86.6 ; 11.26,75.96 J9.B4 ; J9.B4 12.44,74.78 ; J9.B4 12.44,75.96 ; J9.B4 11.26,74.78 ; 13.66,86.6 J9.S1 ; J9.S1 15.99,84.27 ; J9.S1 15.99,86.6 ; J9.S1 13.66,84.27 ; 13.66,89.57 J8.S2 ; J8.S2 15.99,89.57 ; J8.S2 15.99,91.9 ; J8.S2 13.66,91.9 ; 43.08,71.88 J1.1 44.81,71.88 ; 4.06,114.61 P4.9 4.06,113.39 ; 20.22,116.15 P8.1 ; P8.1 21.95,116.15 ; P8.1 20.22,114.43 ; P8.1 21.95,114.43 ; J8.S3 10.31,91.9 ; J8.S3 7.98,91.9 ; J8.S3 7.98,89.57 ; J8.S3 10.31,89.57 ; 13.66,73.46 J9.S2 ; J9.S2 15.99,71.13 ; J9.S2 15.99,73.46 ; J9.S2 13.66,71.13 ; 4.06,108.17 P4.8 4.06,106.95 ; 21.95,67.89 P9.1 20.22,67.89 ; 76.3,68.91 P9.46 ; P9.46 77.62,68.91 ; P9.46 76.3,70.23 ; P9.46 77.62,70.23
  LYR3 w0.889: J8.S3 10.31,91.9 ; J8.S3 10.31,89.57 ; J8.S3 7.98,89.57 ; J8.S3 7.98,91.9 ; 7.98,86.6 J9.S4 ; J9.S4 10.31,86.6 ; J9.S4 10.31,84.27 ; J9.S4 7.98,84.27 ; J8.S2 15.99,91.9 ; J8.S2 13.66,89.57 ; J8.S2 13.66,91.9 ; J8.S2 15.99,89.57 ; 7.98,102.71 J8.S4 ; J8.S4 7.98,105.04 ; J8.S4 10.31,102.71 ; J8.S4 10.31,105.04 ; J8.A4 15.06,94.4 ; J8.A4 13.88,94.4 ; J8.A4 15.06,93.22 ; J8.A4 13.88,93.22 ; 13.66,86.6 J9.S1 ; J9.S1 13.66,84.27 ; J9.S1 15.99,84.27 ; J9.S1 15.99,86.6 ; J8.B4 12.44,93.22 ; J8.B4 12.44,94.4 ; J8.B4 11.26,94.4 ; J8.B4 11.26,93.22 ; 15.06,75.96 J9.A4 13.88,75.96 ; J9.S3 10.31,71.13 ; J9.S3 10.31,73.46 ; J9.S3 7.98,73.46 ; J9.S3 7.98,71.13 ; 12.44,75.96 J9.B4 11.26,75.96 ; J8.S1 15.99,105.04 ; J8.S1 15.99,102.71 ; J8.S1 13.66,105.04 ; J8.S1 13.66,102.71
  LYR5_PWR w0.889: P9.46 77.62,70.23 ; P9.46 76.3,68.91 ; P9.46 76.3,70.23 ; P9.46 77.62,68.91 ; 73.76,68.91 P9.44 ; P9.44 75.08,68.91 ; P9.44 75.08,70.23 ; P9.44 73.76,70.23 ; 73.76,67.69 P9.43 75.08,67.69 ; 76.3,67.69 P9.45 77.62,67.69
  BOTTOM w0.121: v1(39.88,98.35) 39.88,98.37 40,98.5 C78.2
  BOTTOM w0.191: C88.2 47.11,88.63 46.32,89.42 v1(46.32,89.54) ; 70.27,96.81 70.28,96.8
  BOTTOM w0.203: v1(51.12,90.34) 50.83,90.62 50.66,90.62 50.21,91.07 C100.2
  BOTTOM w0.254: C155.1 57.15,77.06 57.4,76.81 v1(57.4,76.53) ; C128.2 30.33,107.26 30.25,107.26 29.77,106.79 v1(29.46,106.79) ; C127.2 v1(26.8,105.89) ; v1(4.78,112.62) 5.03,112.88 5.03,112.95 5.07,112.99 5.07,113.19 5.95,114.07 P4.6 ; v1(32.99,107.11) 32.54,107.11 32.23,106.81 32.16,106.81 C129.2 ; v1(55.88,75.29) 54.61,75.29 54.23,75.67 54.23,76.56 53.48,77.3 U15.4 51.68,77.3 51.43,77.06 51.43,76.05 51.68,75.81 U15.1 ; C69.1 36.35,101.63 35.66,102.31 v1(35.66,105.49) 35.66,105.84 35.69,105.87 v1(35.69,106.55) 35.69,107.06 35.64,107.11 v1(35.64,107.47) 35.64,111.15 36.22,111.73 40.34,111.73 41.02,111.05 v1(41.02,110.82) ; C70.1 44.02,91.24 v1(44.72,91.94) v1(44.72,92.74)
  BOTTOM w0.305: C42.2 47.62,97.03 v1(47.92,96.74) ; v1(23.55,106.02) 23.93,106.02 24.05,106.15 C126.1 ; v1(50.32,93.54) 50.32,94.23 C98.2 ; C99.2 v1(49.52,92.74) ; v1(24.99,105.16) 24.99,104.27 C180.1 25.03,104.26 25.66,104.26 v1(25.93,103.99) ; v1(44.72,91.94) 45.41,91.94 C63.2 ; v1(49.52,95.94) C97.2 ; 7.39,114.1 7.31,114.18 P4.6 ; C73.1 v1(49.52,97.54) 48.83,97.54 C43.2 ; U20.3 21.32,103.37 21.88,103.37 v1(22.15,103.1) ; v1(46.32,95.14) 46.02,94.84 C46.2 ; v1(7.11,112.62) 6.57,112.08 P4.5 5.24,112.08 5.06,112.27 5.06,112.3 5.04,112.31 5.04,112.35 v1(4.78,112.62) ; v1(22.15,103.1) 22.15,103.15 ; v1(22.15,103.1) 22.4,103.35 U20.6 ; 22.03,102.35 v1(22.12,102.44) 21.79,102.44 21.7,102.35 U20.1 ; C72.1 47.62,91.64 v1(47.92,91.94) ; v1(47.92,95.14) 47.22,95.14 C47.2 ; v1(55.27,113.37) 55.27,112.65 C57.1 ; C50.2 v1(48.72,92.74) ; C94.2 v1(45.52,95.94) ; v1(46.32,93.54) 46.98,93.54 C49.2 ; U19.3 75.43,86.29 v1(75.45,86.31) ; C60.1 v1(44.72,92.74) ; v1(49.52,93.54) 49.23,93.83 C48.2